# Altium PCB PCB_UDC_PlacaControle_V2.0.PcbDoc (part 1 of 7) (continued)
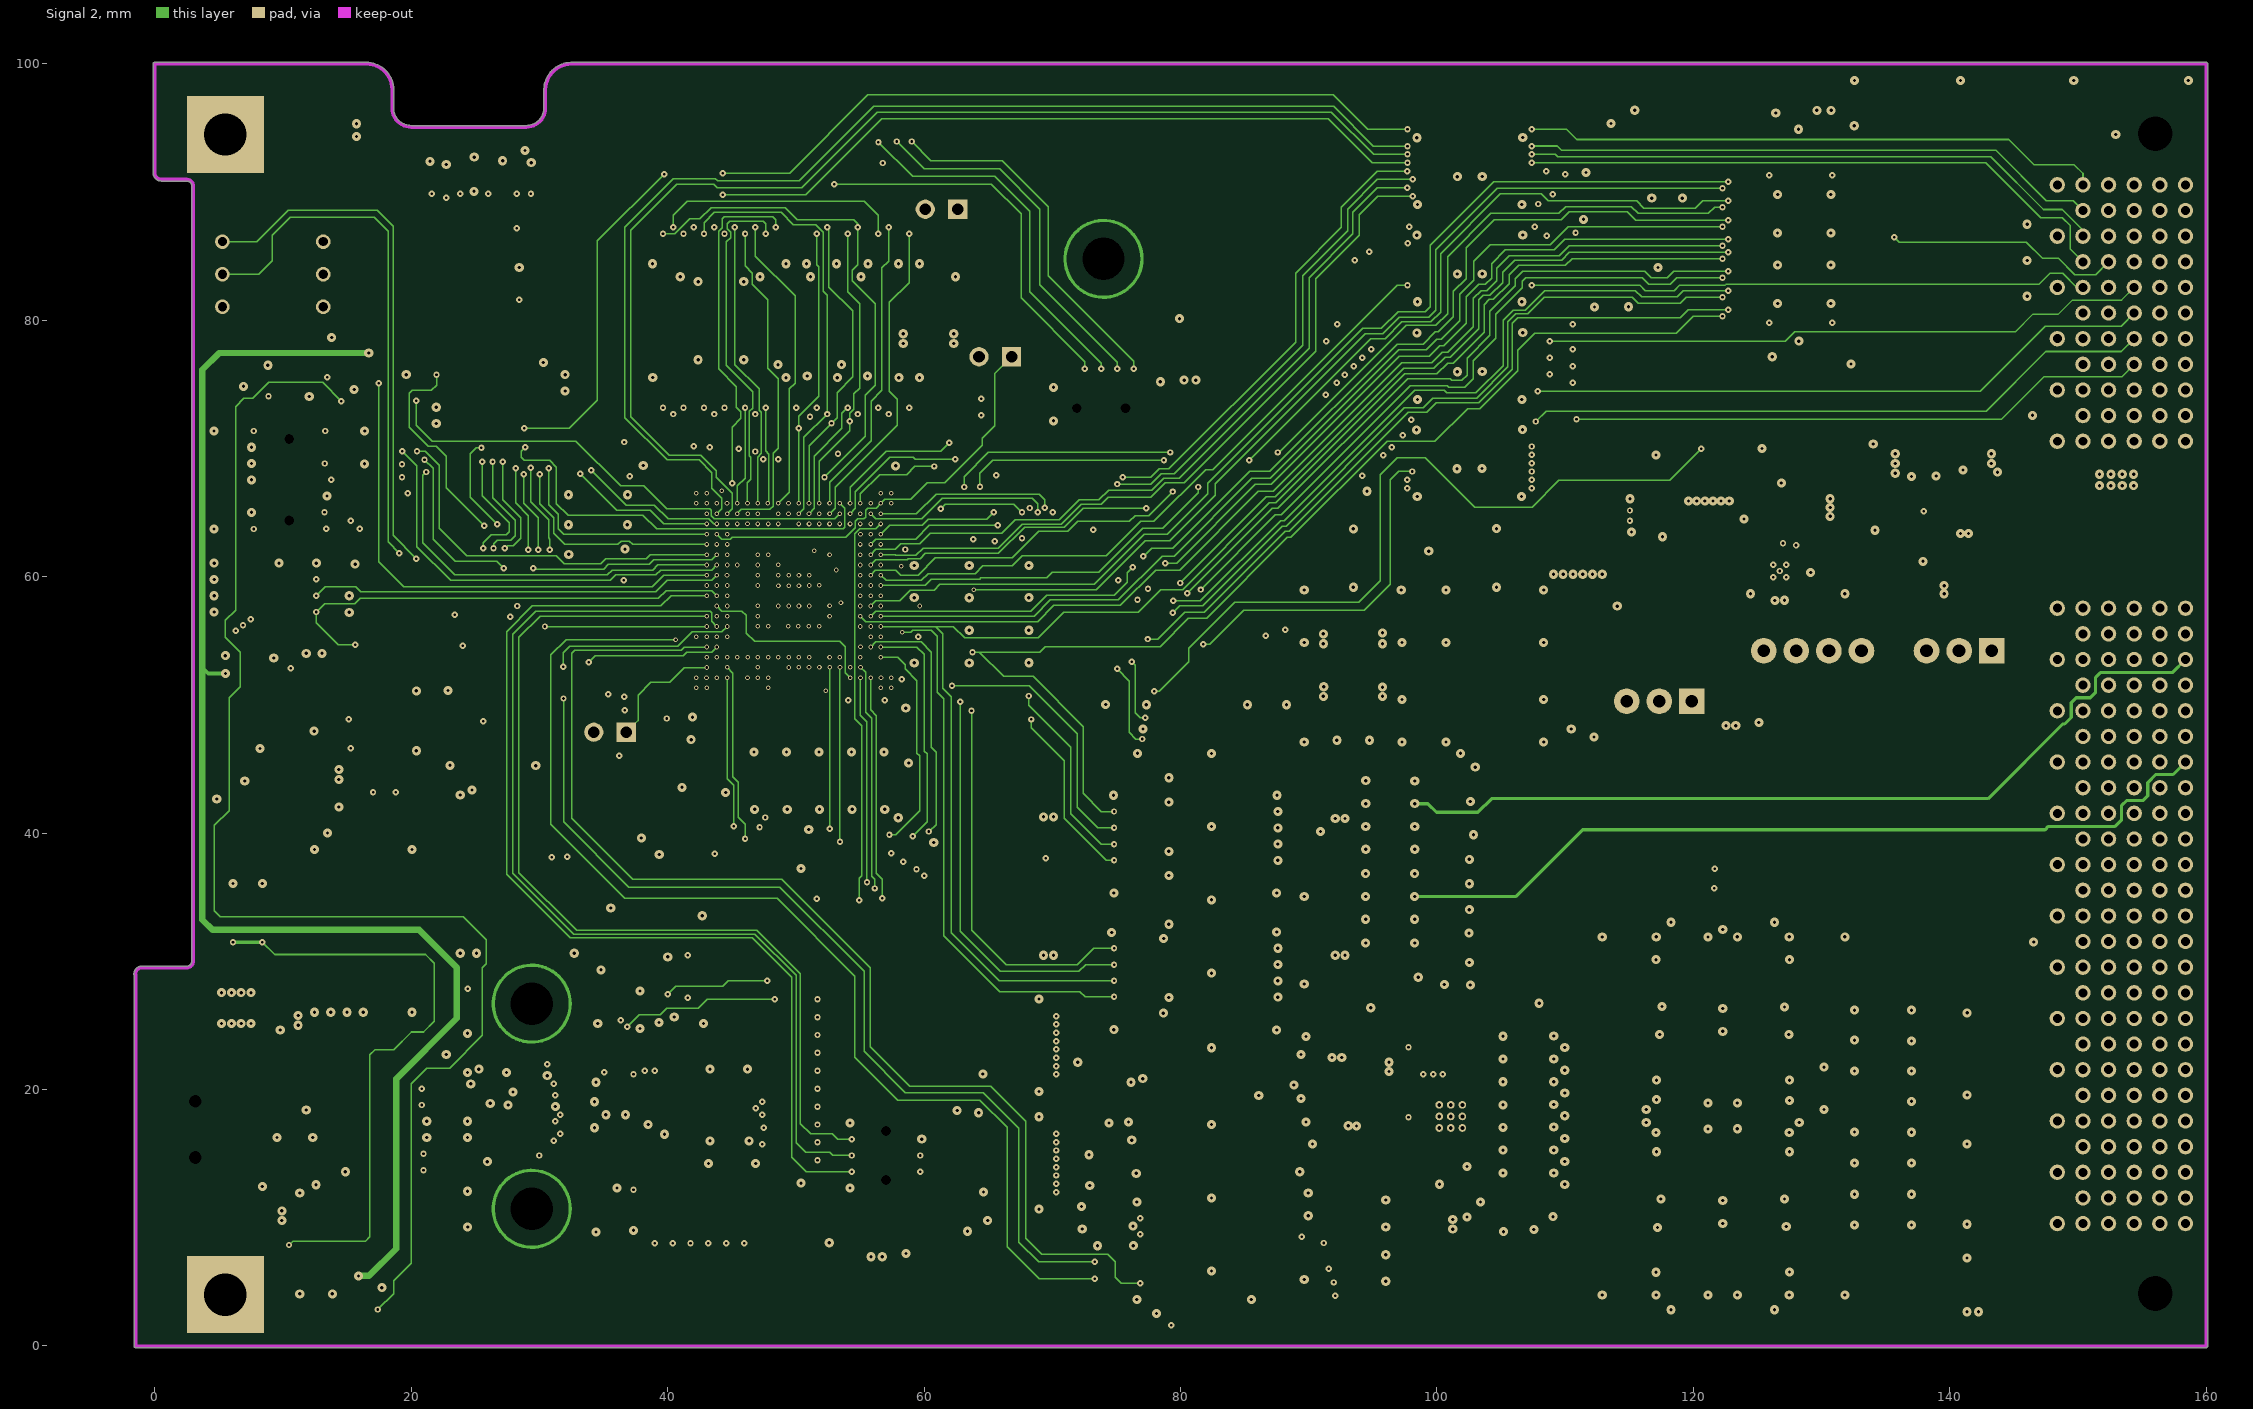
[diagram p4: Signal 2]
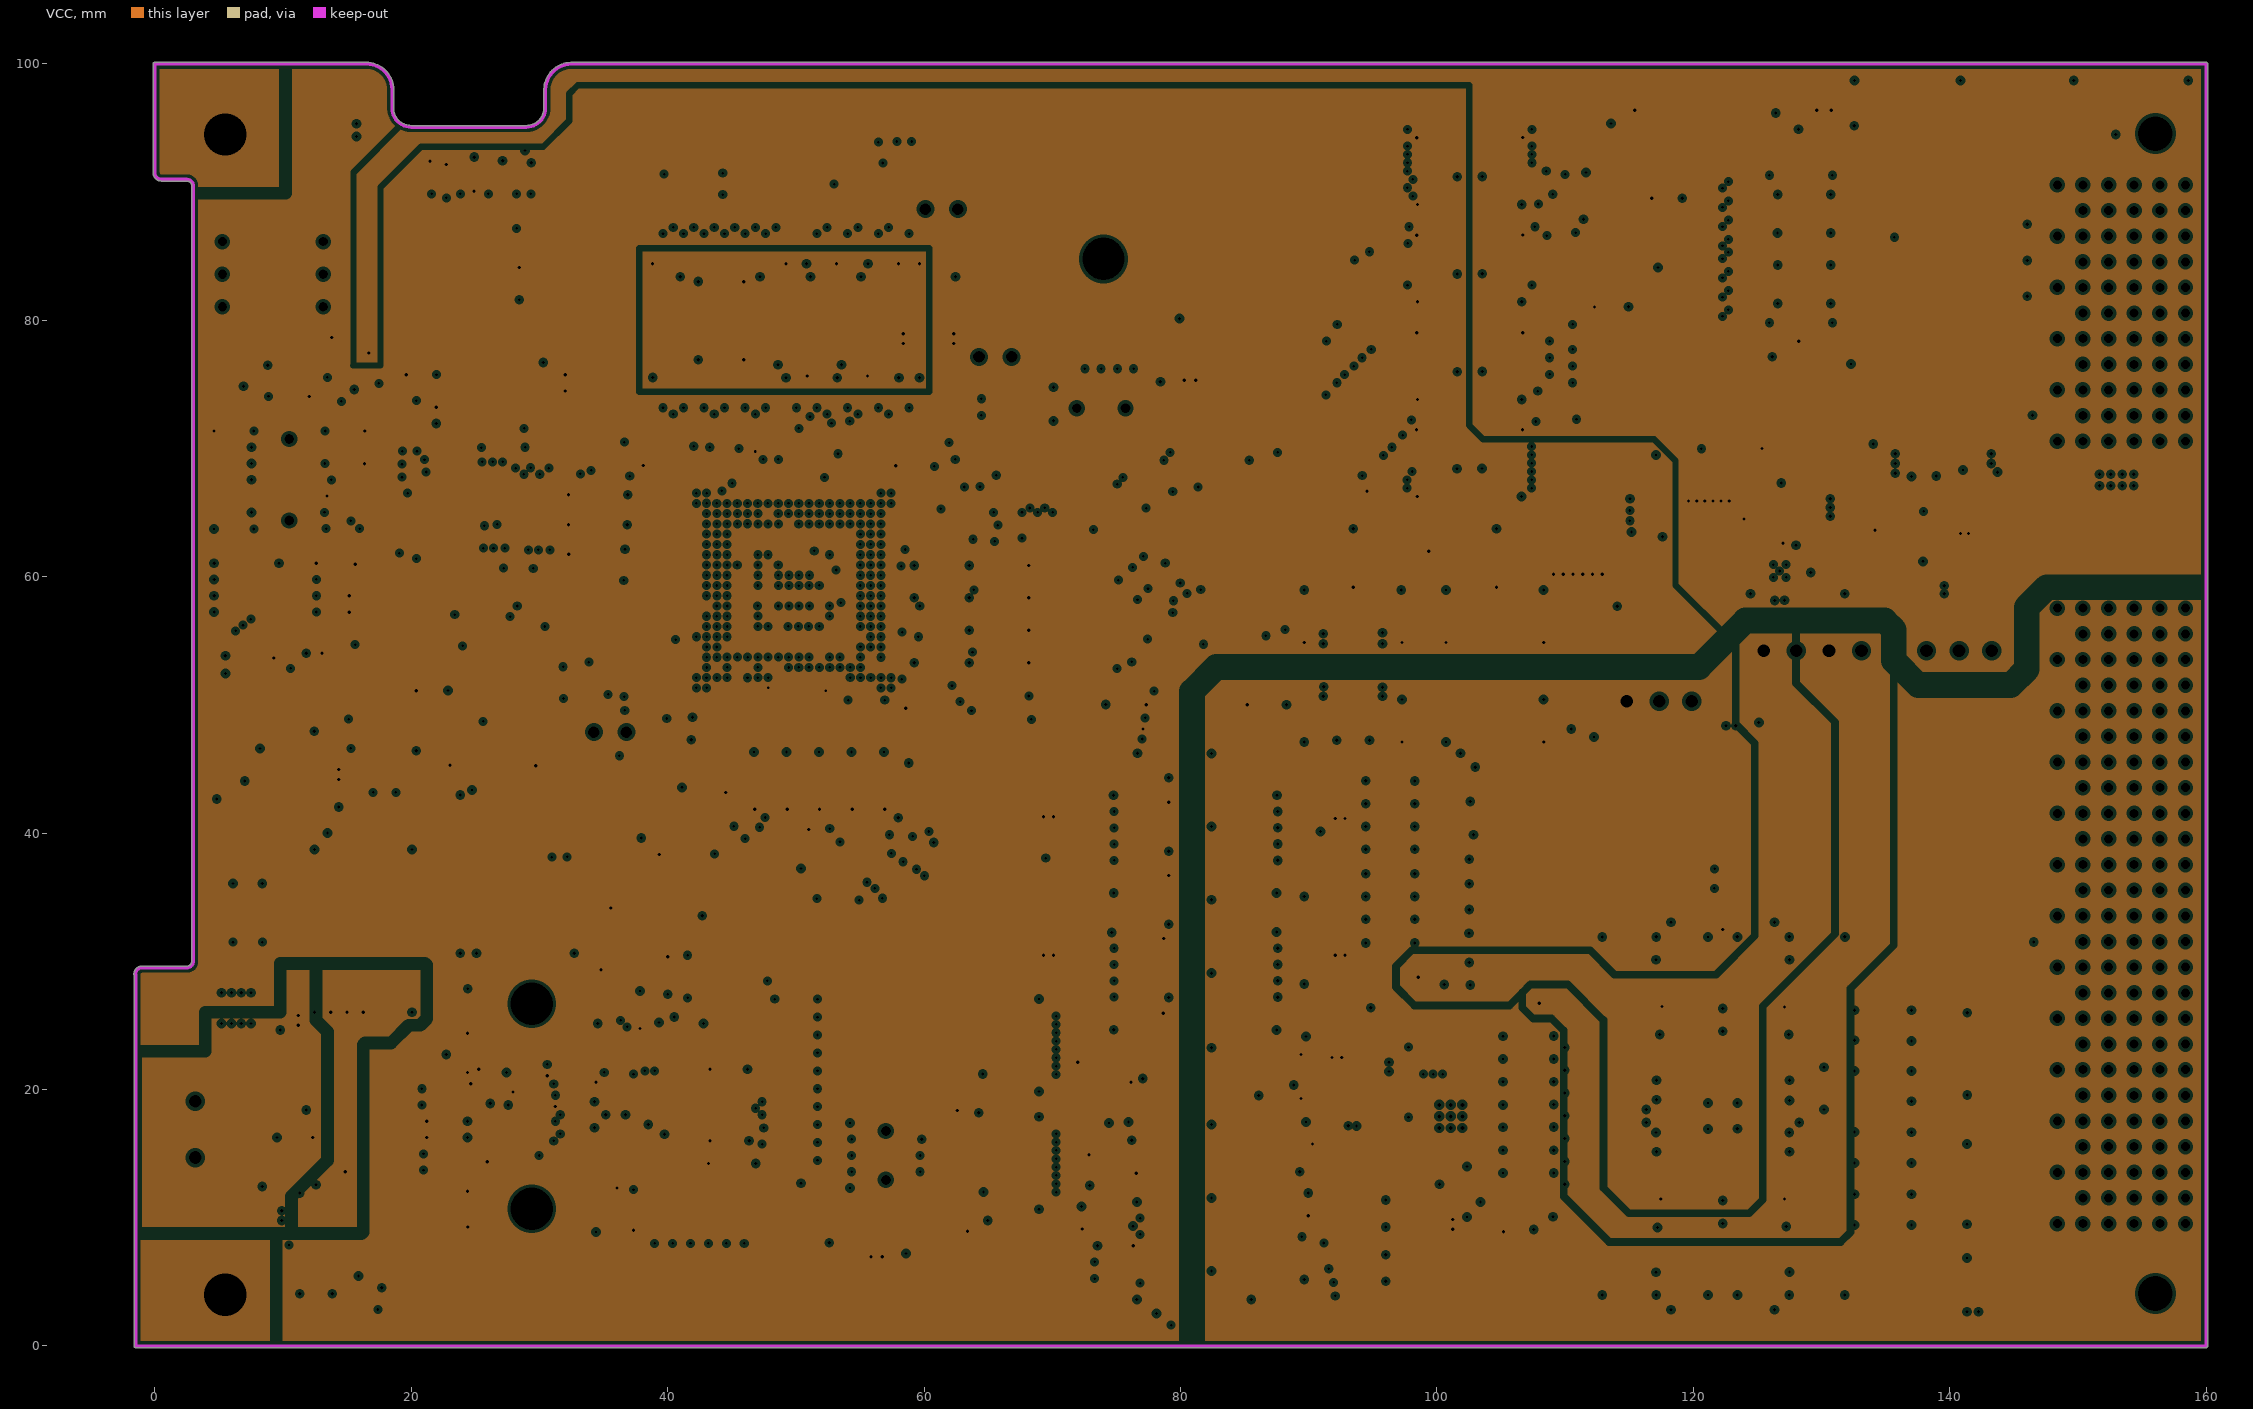
[diagram p5: VCC, clearances drawn from the general rule]
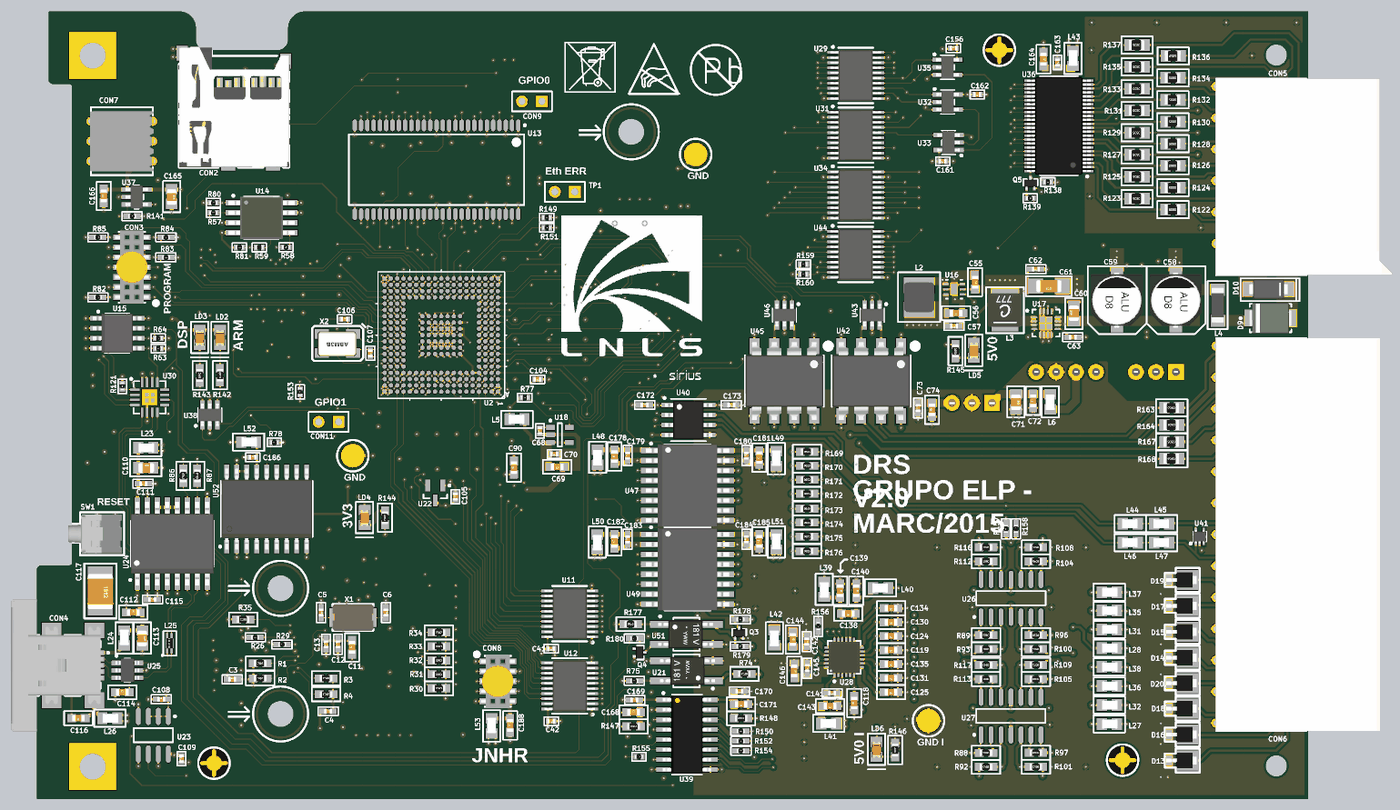
[diagram p12: 3D render of the assembled board from above, using the file's embedded part models]
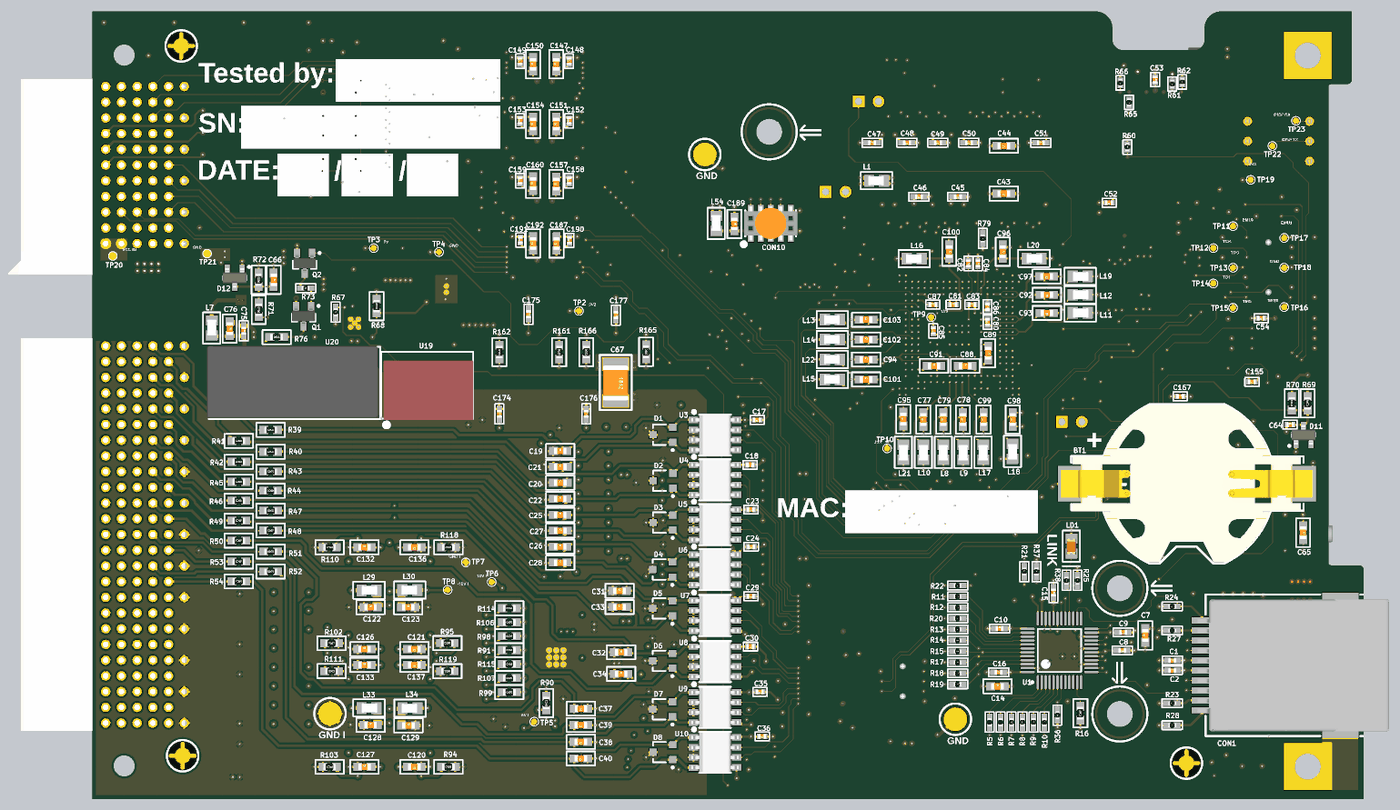
[diagram p13: 3D render of the assembled board from below, using the file's embedded part models]

## Layer stack, top to bottom
Top Layer: signal copper 0.0356
Dielectric: core 0.32, FR-4, Dk 4.8
GND: plane copper 0.0356, net (Multiple Nets)
Dielectric: prepreg 0.32, FR-4, Dk 4.8
Signal 1: signal copper 0.0356
Dielectric: core 0.32, FR-4, Dk 4.8
Signal 2: signal copper 0.0356
Dielectric: prepreg 0.32, FR-4, Dk 4.8
VCC: plane copper 0.0356, net (Multiple Nets)
Dielectric: core 0.32, FR-4, Dk 4.8
Bottom Layer: signal copper 0.0356

## Board outline
-1.627,0 -1.627,28.956 cw(c-1.508,29) -1.635,29 cw(c-1.008,29) -1.008,29.627 2.5,29.627 ccw(c2.5,30) 2.873,30 2.873,90.5 ccw(c2.5,90.5) 2.5,90.873 cw(c2.5,91) 2.499,90.873 0.5,90.873 cw(c0.5,91.5) -0.127,91.5 -0.127,100 cw(c0,100) 0,100.127 16.5,100.127 cw(c16.5,100) 16.507,100.127 cw(c16.5,98) 18.627,98 cw(c18.5,98) 18.627,98 18.627,96.572 cw(c18.5,96.572) 18.618,96.524 ccw(c19.99,96.572) 19.99,95.2 28.98,95.2 cw(c28.98,95.072) 28.987,95.199 ccw(c28.98,96.572) 30.353,96.572 30.353,98.019 cw(c30.48,98.019) 30.353,98.027 cw(c32.48,97.993) 32.438,100.12 cw(c32.48,100) 32.48,100.127 160,100.127 cw(c160,100) 160.127,100 160.127,0 cw(c160,0) 160,-0.127 -1.5,-0.127 cw(c-1.5,0)

## Design rules (kind name [scope] priority, off if disabled: settings)
Clearance [All] p1: gap=0.07
ComponentClearance [All] p1: gap=0 collisioncheckmode=3 verticalgap=0 showdistances=FALSE
DiffPairsRouting DiffPairsRouting_1 [All] p1: maxlimit=0.254 minlimit=0.254 mostfreqgap=0.254 maxuncoupledlength=12.7
DiffPairsRouting DiffPairsEthernet [(InNetClass('ETHERNET_RX') AND InNetClass('ETHERNET_TX'))] p2: maxlimit=0.254 minlimit=0.254 mostfreqgap=0.254 maxuncoupledlength=12.7
PlaneClearance [All] p1: clearance=0.254
PlaneConnect PlaneConnectPower [All] p1: planeconnectstyle=Relief reliefexpansion=0.2 reliefentries=4 reliefconductorwidth=0.254 reliefairgap=0.1
PolygonConnect [All] p1: connectstyle=Relief reliefconductorwidth=0.254 reliefentries=4 polygonreliefangle="90 Angle" airgapwidth=0.127
RoutingVias [All] p1: holewidth=0.711 width=1.27 viastyle="Through Hole" minholewidth=0.711 minwidth=1.27 maxholewidth=0.711 maxwidth=1.27
RoutingVias POWER_VIA [InNetClass('POWER')] p2: holewidth=0.254 width=0.711 viastyle="Through Hole" minholewidth=0.254 minwidth=0.711 maxholewidth=0.254 maxwidth=0.711
RoutingVias BGA_VIA [InNetClass('SIGNALS')] p3: holewidth=0.2 width=0.5 viastyle="Through Hole" minholewidth=0.2 minwidth=0.5 maxholewidth=0.2 maxwidth=0.5
SilkToSolderMaskClearance SilkscreenOverComponentPads [IsPad] p1: minsilkscreentomaskgap=0.254 clearancetoexposedcopper=TRUE
SolderMaskExpansion [All] p1: expansion=0.102
Width [InNetClass('POWER')] p1: maxlimit=0.5 minlimit=0.254 preferedwidth=0.254
Width WidthSignals [(InNetClass('SIGNALS') AND InNetClass('ETHERNET_RX') AND InNetClass('ETHERNET_TX'))] p2: maxlimit=0.102 minlimit=0.102 preferedwidth=0.102
23 further rules are at their usual default settings.

## Classes and differential pairs
component class ADC_ISOLATED: C118 C119 C120 C121 C122 C123 C124 C125 C126 C127 C128 C129 C130 C131 C132 C133 C134 C135 C136 C137 C138 C139 C140 C141 C142 C143 C144 C145 C146 D13 D14 D15 D16 D17 D18 D19 D20 L27 L28 L29 L30 L31 L32 L33 L34 L35 L36 L37 L38 L39 L40 L41 L42 R88 R89 R90 R91 R92 R93 R94 R95 R96 R97 R98 R99 R100 R101 R102 R103 R104 R105 R106 R107 R108 R109 R110 R111 R112 R113 R114 R115 R116 R117 R118 R119 U26 U27 U28
component class BACKPLANE_CONNECTOR: CON5 CON6
component class BUFFER_PWM_FIBER_OPT: C163 C164 L43 Q5 R122 R123 R124 R125 R126 R127 R128 R129 R130 R131 R132 R133 R134 R135 R136 R137 R138 R139 U36
component class BUFFER: C147 C148 C149 C150 C151 C152 C153 C154 C155 C156 C157 C158 C159 C160 C161 C162 C187 C190 C191 C192 R121 U29 U30 U31 U32 U33 U34 U35 U44
component class DISPLAY_CONNECTOR: C165 C166 CON7 R141 TP22 TP23 U37
component class ETHERNET: C1 C2 C3 C4 C5 C6 C7 C8 C9 C10 C11 C12 C13 C14 C15 C16 CON1 LD1 R1 R2 R3 R4 R5 R6 R7 R8 R9 R10 R11 R12 R13 R14 R15 R16 R17 R18 R19 R20 R21 R22 R23 R24 R25 R26 R27 R28 R29 R30 R31 R32 R33 R34 R35 R36 R37 R38 TP1 U1 X1
component class EXPANDER_CONNECTOR: C188 C189 C? CON8 CON9 CON10 CON11 CON? L53 L54 L?
component class INDICATION: C167 LD2 LD3 LD4 LD5 LD6 R142 R143 R144 R145 R146 U38
component class ISOLATOR_COMMUNICATION: C168 C169 C170 C171 C172 C173 L44 L45 L46 L47 R147 R148 R149 R150 R151 R152 R153 R154 R155 R156 R157 R158 R159 R160 U39 U40 U41
component class ISOLATOR_INPUT: C17 C18 C19 C20 C21 C22 C23 C24 C25 C26 C27 C28 C29 C30 C31 C32 C33 C34 C35 C36 C37 C38 C39 C40 C41 C42 D1 D2 D3 D4 D5 D6 D7 D8 R39 R40 R41 R42 R43 R44 R45 R46 R47 R48 R49 R50 R51 R52 R53 R54 U3 U4 U5 U6 U7 U8 U9 U10 U11 U12
component class ISOLATOR_OUTPUT: C174 C175 C176 C177 R161 R162 R163 R164 R165 R166 R167 R168 U42 U43 U45 U46
component class ISOLATOR_PWM: C178 C179 C180 C181 C182 C183 C184 C185 L48 L49 L50 L51 Q3 Q4 R169 R170 R171 R172 R173 R174 R175 R176 R177 R178 R179 R180 U47 U49 U51
component class MEMORY: C43 C44 C45 C46 C47 C48 C49 C50 C51 C52 C53 C54 C? CON2 L1 L? R57 R58 R59 R60 R61 R62 R63 R64 R65 R66 R? U13 U14 U15 U?
component class POWER_F28M36: C77 C78 C79 C80 C81 C82 C83 C84 C85 C86 C87 C88 C89 C90 C91 C92 C93 C94 C95 C96 C97 C98 C99 C100 C101 C102 C103 L8 L9 L10 L11 L12 L13 L14 L15 L16 L17 L18 L19 L20 L21 L22 TP9 TP10
component class POWER: C55 C56 C57 C58 C59 C60 C61 C62 C63 C64 C65 C66 C67 C68 C69 C70 C71 C72 C73 C74 C75 C76 D9 D10 D11 D12 L2 L3 L4 L5 L6 L7 Q1 Q2 R67 R68 R69 R70 R71 R72 R73 R74 R75 R76 SW1 TP2 TP3 TP4 TP5 TP6 TP7 TP8 TP20 TP21 U16 U17 U18 U19 U20 U21
component class RTC: BT1 C186 L52 U52
component class SUPPORT_F28M36: C104 C105 C106 C107 C? CON3 R77 R78 R79 R80 R81 R82 R83 R84 R85 R? TP11 TP12 TP13 TP14 TP15 TP16 TP17 TP18 TP19 U2 U22 U? X2
component class USB: C108 C109 C110 C111 C112 C113 C114 C115 C116 C117 CON4 L23 L24 L25 L26 R86 R87 U23 U24 U25

## Components (designator, comment, footprint, x,y, rotation, side; value= is the part's Value field where it differs from the comment)
BT1 "BU2032SM-HD-G" BU2032SM-HD-G 35.509,40.005 r180 bottom locked
C1 "100nF" "0402 cap"#1 23.368,17.526 r180 bottom locked
C2 "100nF" "0402 cap"#1 23.368,16.256 r180 bottom locked
C3 "100nF" "0402 cap"#1 22.606,15.113 r0 top
C4 "100nF" "0402 cap"#1 34.798,11.049 r0 top
C5 "10pF" "0402 cap"#1 34.544,24.257 r270 top locked
C6 "10pF" "0402 cap"#1 42.799,24.257 r270 top locked
C7 "10uF" "0603 cap" 26.162,20.701 r90 bottom
C8 "100nF" "0402 cap"#1 28.448,18.796 r0 bottom
C9 "100nF" "0402 cap"#1 28.321,21.082 r0 bottom
C10 "100nF" "0402 cap"#1 45.339,21.59 r180 bottom locked
C11 "1uF" "0603 cap" 38.481,19.177 r90 top locked
C12 "100nF" "0402 cap"#1 36.703,18.923 r90 top locked
C13 "10nF" "0402 cap"#1 35.179,18.923 r90 top locked
C14 "1uF" "0603 cap" 44.958,14.224 r180 bottom locked
C15 "100nF" "0402 cap"#1 37.846,26.797 r270 bottom
C16 "100nF" "0402 cap"#1 45.466,16.002 r180 bottom locked
C17 "100nF" "0402 cap"#2 75.082,48.133 r0 bottom locked
C18 "100nF" "0402 cap"#2 75.971,42.418 r0 bottom locked
C19 "100nF" "0603 cap" 100.59,44.18 r180 bottom
C20 "100nF" "0603 cap" 100.579,40.147 r180 bottom
C21 "100nF" "0603 cap" 100.579,42.164 r180 bottom
C22 "100nF" "0603 cap" 100.59,38.084 r180 bottom
C23 "100nF" "0402 cap"#2 75.87,36.703 r0 bottom locked
C24 "100nF" "0402 cap"#2 75.844,31.988 r0 bottom locked
C25 "100nF" "0603 cap" 100.59,36.052 r180 bottom
C26 "100nF" "0603 cap" 100.59,32.004 r180 bottom
C27 "100nF" "0603 cap" 100.579,34.036 r180 bottom
C28 "100nF" "0603 cap" 100.584,29.972 r180 bottom
C29 "100nF" "0402 cap"#2 75.87,25.686 r0 bottom locked
C30 "100nF" "0402 cap"#2 75.921,19.279 r0 bottom locked
C31 "100nF" "0603 cap" 93.03,26.379 r180 bottom
C32 "100nF" "0603 cap" 92.837,18.546 r180 bottom
C33 "100nF" "0603 cap" 93.03,24.311 r180 bottom
C34 "100nF" "0603 cap" 92.837,15.806 r180 bottom
C35 "100nF" "0402 cap"#2 74.727,13.496 r0 bottom locked
C36 "100nF" "0402 cap"#2 74.447,7.839 r0 bottom locked
C37 "100nF" "0603 cap" 97.946,11.386 r0 bottom locked
C38 "100nF" "0603 cap" 97.953,7.149 r0 bottom locked
C39 "100nF" "0603 cap" 97.953,9.284 r0 bottom locked
C40 "100nF" "0603 cap" 97.953,5.049 r0 bottom locked
C41 "100nF" "0402 cap"#2 64.262,18.999 r180 top locked
C42 "100nF" "0402 cap"#2 64.287,9.779 r180 top locked
C43 "10uF" "0603 cap" 44.157,76.928 r0 bottom
C44 "10uF" "0603 cap" 44.157,83.024 r0 bottom
C45 "100nF" "0402 cap"#1 49.364,76.547 r0 bottom
C46 "100nF" "0402 cap"#1 54.317,76.547 r0 bottom
C47 "100nF" "0402 cap"#1 61.556,83.405 r180 bottom
C48 "100nF" "0402 cap"#1 55.841,83.405 r0 bottom
C49 "100nF" "0402 cap"#1 51.904,83.405 r0 bottom
C50 "100nF" "0402 cap"#1 47.967,83.405 r0 bottom
C51 "100nF" "0402 cap"#1 40.093,83.405 r180 bottom
C52 "100nF" "0402 cap"#2 30.302,75.768 r0 bottom locked
C53 "100nF" "0402 cap"#2 24.917,91.897 r270 bottom locked
C54 "100nF" "0402 cap"#2 10.973,61.062 r0 bottom locked
C55 "10uF" "0603 cap" 117.733,65.659 r270 top locked
C56 "10uF" "0603 cap" 115.32,61.726 r180 top locked
C57 "100nF" "0402 cap"#1 115.697,60.075 r180 top locked
C58 "100uF/35V" CAP_ALUM_case_D8 143.256,63.373 r270 top locked
C59 "100uF/35V" CAP_ALUM_case_D8 135.763,63.373 r270 top locked
C60 "10uF" "0805 cap" 130.302,60.706 r90 top locked
C61 "22uF" "1206 CAP" 127.127,65.151 r180 top locked
C62 "100nF" "0402 cap"#1 126.111,67.31 r180 top locked
C63 "3.3nF" "0402 cap"#1 130.81,58.674 r180 top locked
C64 "100nF" "0402 cap"#2 8.204,47.523 r180 bottom locked
C65 "100nF" "0603 cap" 6.096,33.782 r270 bottom locked
C66 "100nF" "0603 cap" 137.033,65.959 r270 bottom locked
C67 "10nF" "1812 CAP" 93.531,55.245 r270 bottom
C68 "100nF" "0402 cap"#2 62.382,46.279 r90 top locked
C69 "1uF" "0603 cap" 64.584,42.164 r180 top locked
C70 "100nF" "0402 cap"#2 64.668,43.79 r180 top locked
C71 "10uF" "0805 cap" 122.939,51.389 r270 top locked
C72 "100nF" "0603 cap" 125.121,50.562 r90 top locked
C73 "100nF" "0402 cap"#1 110.49,48.997 r90 top locked
C74 "10uF" "0603 cap" 112.268,49.419 r90 top locked
C75 "100nF" "0402 cap"#1 140.843,60.12 r270 bottom
C76 "10uF" "0603 cap" 142.621,59.739 r270 bottom
C77 "2.2uF" "0603 cap" 54.393,48.184 r90 bottom locked
C78 "2.2uF" "0603 cap" 49.352,48.184 r90 bottom locked
C79 "2.2uF" "0603 cap" 51.851,48.184 r90 bottom locked
C80 "470nF" "0402 cap"#2 46.228,60.121 r90 bottom locked
C81 "470nF" "0402 cap"#2 51.054,62.814 r180 bottom locked
C82 "470nF" "0402 cap"#2 48.667,68.504 r270 bottom locked
C83 "470nF" "0402 cap"#2 48.667,62.814 r180 bottom locked
C84 "470nF" "0402 cap"#2 47.447,68.504 r270 bottom locked
C85 "470nF" "0402 cap"#2 53.137,59.004 r90 bottom locked
C86 "470nF" "0402 cap"#2 46.228,62.992 r270 bottom locked
C87 "470nF" "0402 cap"#2 53.645,62.814 r180 bottom locked
C88 "2.2uF" "0603 cap" 49.073,55.016 r180 bottom locked
C89 "2.2uF" "0603 cap" 46.152,56.617 r270 bottom locked
C90 "2.2uF" "0603 cap" 59.08,42.062 r90 top locked
C91 "2.2uF" "0603 cap" 53.035,55.016 r180 bottom locked
C92 "2.2uF" "0603 cap" 38.684,64.059 r0 bottom locked
C93 "2.2uF" "0603 cap" 38.684,61.747 r0 bottom locked
C94 "2.2uF" "0603 cap" 61.671,55.829 r180 bottom locked
C95 "2.2uF" "0603 cap" 56.933,48.235 r90 bottom locked
C96 "2.2uF" "0603 cap" 44.298,69.545 r270 bottom locked
C97 "2.2uF" "0603 cap" 38.71,66.394 r0 bottom locked
C98 "2.2uF" "0603 cap" 43.028,48.185 r90 bottom locked
C99 "2.2uF" "0603 cap" 46.735,48.184 r90 bottom locked
C100 "2.2uF" "0603 cap" 51.105,69.545 r270 bottom locked
C101 "2.2uF" "0603 cap" 61.671,53.289 r180 bottom locked
C102 "2.2uF" "0603 cap" 61.671,58.369 r180 bottom locked
C103 "2.2uF" "0603 cap" 61.671,60.885 r180 bottom locked
C104 "100nF" "0402 cap"#2 62.535,53.289 r180 top locked
C105 "100nF" "0402 cap"#2 51.638,37.897 r90 top locked
C106 "15pF" "0402 cap"#2 37.084,60.96 r0 top locked
C107 "15pF" "0402 cap"#2 40.818,57.074 r270 top locked
C108 "100nF" "0402 cap"#1 13.589,12.573 r0 top
C109 "100nF" "0402 cap"#2 16.789,4.547 r90 top
C110 "10uF" "0805 cap" 11.303,42.037 r0 top locked
C111 "100nF" "0402 cap"#1 12.573,40.005 r180 top locked
C112 "100nF" "0603 cap" 10.668,23.622 r0 top locked
C113 "10uF" "0805 cap" 11.811,21.336 r270 top locked
C114 "100nF" "0603 cap" 9.271,13.462 r0 top locked
C115 "100nF" "0402 cap"#1 12.446,25.273 r0 top locked
C116 "1nF" "0603 cap" 3.683,10.16 r180 top locked
C117 "10nF" "1812 CAP" 6.477,28.702 r270 top locked
C118 "1.2nF" "0603 cap" 102.362,12.099 r90 top
C119 "1.2nF" "0603 cap" 107.061,18.83 r180 top locked
C120 "180nF" "0603 cap" 119.126,3.971 r0 bottom locked
C121 "180nF" "0603 cap" 119.13,18.957 r0 bottom
C122 "100nF" "0603 cap" 124.714,24.287 r180 bottom
C123 "100nF" "0603 cap" 119.922,24.282 r180 bottom
C124 "1.2nF" "0603 cap" 107.061,20.608 r180 top locked
C125 "1.2nF" "0603 cap" 107.061,13.483 r180 top locked
C126 "180nF" "0603 cap" 125.48,18.957 r180 bottom
C127 "180nF" "0603 cap" 125.476,3.971 r180 bottom locked
C128 "100nF" "0603 cap" 124.714,9.301 r180 bottom
C129 "100nF" "0603 cap" 119.883,9.239 r180 bottom
C130 "1.2nF" "0603 cap" 107.061,22.386 r180 top locked
C131 "1.2nF" "0603 cap" 107.061,15.274 r180 top locked
C132 "180nF" "0603 cap" 125.48,31.911 r180 bottom
C133 "180nF" "0603 cap" 125.476,16.941 r180 bottom
C134 "1.2nF" "0603 cap" 107.061,24.16 r180 top
C135 "1.2nF" "0603 cap" 107.061,17.052 r180 top locked
C136 "180nF" "0603 cap" 119.13,31.911 r0 bottom
C137 "180nF" "0603 cap" 119.126,16.941 r0 bottom
C138 "1uF" "0603 cap" 101.595,23.468 r180 top
C139 "1uF" "0603 cap" 100.579,26.389 r270 top
C140 "1uF" "0603 cap" 102.615,26.389 r270 top
C141 "100nF" "0402 cap"#1 100.19,13.36 r180 top
C142 "100nF" "0402 cap"#1 96.313,20.573 r270 top
C143 "1uF" "0603 cap" 99.301,11.709 r180 top
C144 "1uF" "0603 cap" 94.535,20.192 r270 top
C145 "100nF" "0402 cap"#1 96.393,17.175 r270 top
C146 "10uF" "0603 cap" 94.742,16.179 r270 top
C147 "1uF" "0603 cap" 101.092,93.396 r90 bottom locked
C148 "100nF" "0402 cap"#2 99.441,93.345 r90 bottom locked
C149 "100nF" "0402 cap"#2 105.689,93.345 r90 bottom locked
C150 "1uF" "0603 cap" 104.038,93.396 r90 bottom locked
C151 "1uF" "0603 cap" 101.078,85.801 r90 bottom locked
C152 "100nF" "0402 cap"#2 99.441,85.75 r90 bottom locked
C153 "100nF" "0402 cap"#2 105.689,85.75 r90 bottom locked
C154 "1uF" "0603 cap" 104.038,85.801 r90 bottom locked
C155 "100nF" "0402 cap"#2 12.141,52.959 r0 bottom
C156 "100nF" "0402 cap"#2 114.529,95.453 r0 top locked
C157 "1uF" "0603 cap" 101.078,78.156 r90 bottom locked
C158 "100nF" "0402 cap"#2 99.441,78.13 r90 bottom locked
C159 "100nF" "0402 cap"#2 105.689,78.13 r90 bottom locked
C160 "1uF" "0603 cap" 104.038,78.207 r90 bottom locked
C161 "100nF" "0402 cap"#2 114.071,81.05 r180 top locked
C162 "100nF" "0402 cap"#2 118.466,89.56 r180 top locked
C163 "100nF" "0402 cap"#2 128.219,94.078 r270 top locked
C164 "10uF" "0603 cap" 126.441,94.052 r270 top locked
C165 "10uF" "0805 cap" 15.545,77.521 r270 top locked
C166 "100nF" "0603 cap" 6.909,76.632 r90 top locked
C167 "100nF" "0402 cap"#2 22.174,51.13 r180 bottom locked
C168 "1uF" "0603 cap" 74.301,10.92 r0 top locked
C169 "100nF" "0402 cap"#1 73.77,12.504 r0 top locked
C170 "100nF" "0402 cap"#1 88.406,13.585 r180 top locked
C171 "1uF" "0603 cap" 87.981,11.934 r180 top locked
C172 "100nF" "0402 cap"#1 75.057,50.038 r0 top locked
C173 "100nF" "0402 cap"#1 87.376,50.038 r180 top locked
C174 "100nF" "0402 cap"#1 108.331,49.547 r270 bottom
C175 "100nF" "0402 cap"#1 104.602,62.23 r270 bottom